# Altium PCB 400432.PcbDoc (part 4 of 6) (continued)
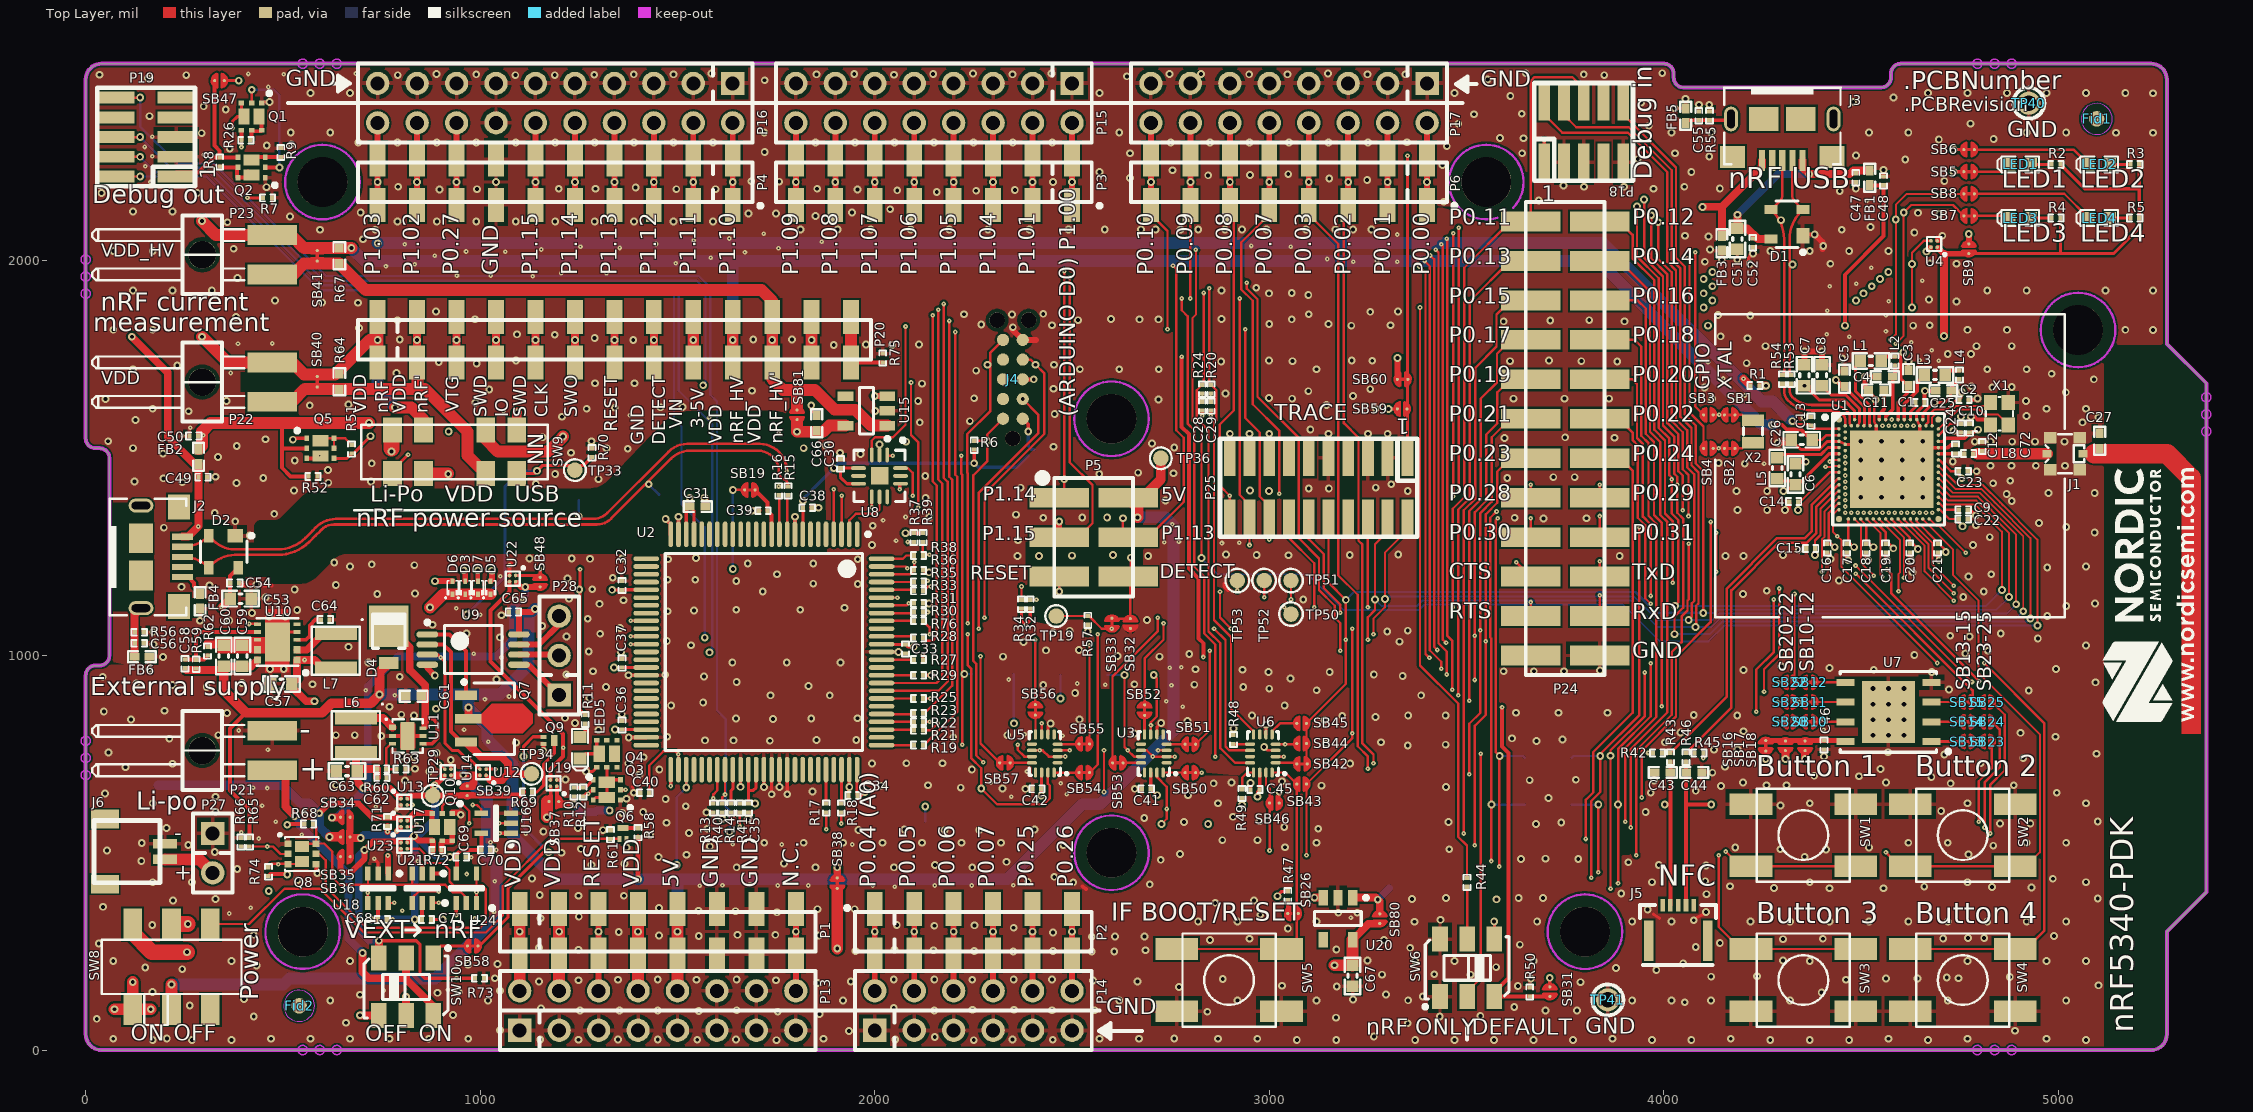
[diagram p0: Top Layer view]
## Nets (pads, with @x,y where several pads share a name; then routed paths per layer and width w, separated by ;. In a path a pad name is that pad's centre, name@x,y a point inside that pad or via, vN(x,y) a via of type N, cw(c..) or ccw(c..) an arc to the next point about the centre after c; other vN are vias at no path point) (continued)
  Top Layer w8: v1(4734.26,2226.26) SB5.1@4760.37,2226.26
  Mid-Layer 1 w6: v2(3662.5,1432.5) 3800.5,1432.5 3815,1447 v2(4020,1447)
  Mid-Layer 2 w6: v1@3933,2138 4055,2138 4075,2118 4119,2118 4145,2144 4614,2144 4696.26,2226.26 v1(4734.26,2226.26)
  Bottom Layer w4.92: v1(4028,1126) 4817,1126 v1(4857,1166)
  other v1: 3932,2138
P0.29: P24.16 SB6.1 U1.U31 | length 3667.7
  Top Layer w4.92: U1.U31@4696.45,1464.6 4738.76,1422.29 4804.31,1422.29 4838.69,1387.91 4929,1297.6 v1(4929,1094)
  Top Layer w6: P24.16@3837.5,1400 v2(3837.5,1432.5) ; v1(3950,2156) 3950,2009 3998,1961 3998,1583 4026,1555 4026,1461 4034,1453 v2(4034,1432.5) 4034,1362 4049,1347 4049,1121 4027,1099 v1(4027,1054)
  Top Layer w8: v1(4734.26,2282.26) SB6.1@4760.37,2282.26
  Mid-Layer 1 w6: v2(3837.5,1432.5) v2(4034,1432.5)
  Mid-Layer 2 w6: v1(3950,2156) 4608,2156 v1(4734.26,2282.26)
  Bottom Layer w4.92: v1(4027,1054) 4116,1054 4148,1086 4921,1086 v1(4929,1094)
P0.30: P24.17 SB7.1 U1.B24 | length 2624
  Top Layer w4.92: v2(4588,1790) 4608,1810 v1(4608,2122.9)
  Top Layer w6: P24.17@3662.5,1300 v2(3662.5,1347.5) ; v1(3968,2116) 3968,2007 4009,1966 4009,1589 4037,1561 4037,1467 4048,1456 v2(4048,1368) ; v1(4608,2122.9) 4627.1,2142 4732.63,2142 SB7.1@4760.37,2114.26
  Mid-Layer 1 w4.92: v2(4588,1790) 4588,1750 4621.17,1716.83 4621.17,1597.09 4632.98,1585.28 v2(4632.98,1582.24)
  Mid-Layer 1 w6: v2(3662.5,1347.5) 3683,1368 v2(4048,1368)
  Mid-Layer 2 w6: v1(3968,2116) 4056,2116 4073,2099 4197,2099 4227,2129 4601.9,2129 v1(4608,2122.9)
P0.31: P24.18 SB8.1 U1.B22 | length 2446.3
  Top Layer w4.92: v2(4574,1800) 4588,1814 v1(4588,2105) 4588,2142 4616.26,2170.26 SB8.1@4760.37,2170.26
  Top Layer w6: P24.18@3837.5,1300 v2(3837.5,1353.5) ; v1(3986,2098) 3986,2005 4020,1971 4020,1594 4048,1566 4048,1472 4062.5,1457.5 v2(4062.5,1353.5)
  Mid-Layer 1 w4.92: v2(4574,1800) 4574,1749 4611.32,1711.68 4611.32,1591.18 ; v2(4617.23,1582.24) v2@4617.23,1585.28 ; 4611.32,1591.18 v2@4617.23,1585.28 ; 4611.32,1591.18 v2@4617.23,1585.28
  Mid-Layer 1 w6: v2(3837.5,1353.5) v2(4062.5,1353.5)
  Mid-Layer 2 w6: v1(3986,2098) 4044,2098 4057,2085 4359,2085 4379,2105 v1(4588,2105)
P1.00: P3.1 P9.1 P15.2 U1.M2 | length 3160
  Top Layer w6: v2(3480,1418) v2(3480,2084)
  Top Layer w15: P3.1@2500,2142.32 v1(2500,2200) P3.1@2500,2257.68 P15.2@2500,2350
  Mid-Layer 1 w6: v1(2500,2200) 2519,2181 3353,2181 3450,2084 v2(3480,2084) ; v2(3480,1418) 4153,1418 4173,1398 4351.21,1398 v2@4456.7,1503.5 ; 4397.16,1443.95 v2@4456.7,1503.5 ; v2@4456.7,1503.5 v2(4459.75,1503.5) v2@4456.7,1503.5
  Bottom Layer w15: P9.1@2500,2118.4 v1(2500,2200) P9.1@2500,2257.68
P1.01: P3.2 P9.2 P15.4 U1.P2 | length 3251.6
  Top Layer w6: P3.2@2400,2118 P3.2@2400,2142.32 ; v2(3466,1404) v2(3466,2070)
  Top Layer w15: P3.2@2400,2142.32 v1(2400,2200) P3.2@2400,2257.68 P15.4@2400,2350
  Mid-Layer 1 w6: v1(2400,2200) 2430,2170 3348,2170 3448,2070 v2(3466,2070) ; v2(3466,1404) 4151,1404 4168,1387 4359,1387 v2(4459.75,1487.75) 4406.11,1434.11
  Bottom Layer w15: P9.2@2400,2142.32 v1(2400,2200) P9.2@2400,2257.68
P1.02: P4.9 P10.9 P16.18 R20.1 U6.8 | length 3650.9
  Top Layer w6: P4.9@840,2119 P4.9@840,2142.32 ; R20.1@2848,1689.22 v2(2848,1931) ; R20.1@2849,1689.22 R20.1@2852,1686.22 2866,1672.22 2866,1597 2860,1591 2860,1466 2860,1090 2903,1047 2903,865 2960.04,807.96 U6.8@2960.04,799.85 ; v2@2849,1931 v2@2849,1933
  Top Layer w15: P4.9@840,2142.32 v1(840,2200) P4.9@840,2257.68 P16.18@840,2350
  Mid-Layer 1 w6: v1(840,2200) 1106.91,1933.09 2550.91,1933.09 2551,1933 2847,1933 v2@2849,1931
  Bottom Layer w15: P10.9@840,2142.32 v1(840,2200) P10.9@840,2257.68
P1.02/I2C: C29.2 R20.2 U1.AE1 | length 2094.2
  Top Layer w4.92: v2(4400.79,1212) 4400.79,1294.12 4407.58,1300.91 4407.58,1365.67 4443.04,1401.13 U1.AE1@4444,1401.13
  Top Layer w6: v2(4133,1212) v2(4133,1311)
  Mid-Layer 1 w4.92: v2(4133,1212) v2(4400.79,1212)
  Mid-Layer 1 w6: v2(2852,1653.5) 2877,1628.5 2877,1463 3011,1329 3367,1329 3378,1318 3652,1318 3659,1311 v2(4133,1311)
P1.03: P4.10 P10.10 P16.20 R24.1 U6.12 | length 3832.6
  Top Layer w6: P4.10@740,2119 P4.10@740,2142.32 ; v2(2834,1919) 2834,1690.22 R24.1@2830,1686.22 2816,1672.22 2816,1600 2846,1570 2846,1480 2846,1061 2876,1031 2876,765 2913,728 U6.12@2951.19,728
  Top Layer w15: P4.10@740,2142.32 v1(740,2200) P4.10@740,2257.68 P16.20@740,2350
  Mid-Layer 1 w6: v1(740,2200) 1021,1919 v2@2833,1919
  Bottom Layer w15: P10.10@740,2142.32 v1(740,2200) P10.10@740,2257.68
P1.03/I2C: C28.2 R24.2 U1.AF2 | length 1964.1
  Mid-Layer 1 w4.92: v2(2830,1653.5) 2866,1617.5 2866,1458 3006,1318 3359,1318 3373,1304 3651,1304 3658,1297 4253,1297 4264,1308 4367.79,1308 4453.05,1393.26 ; 4420.08,1360.29 4453.05,1393.26 ; 4453.05,1393.26 v2(4459.75,1393.26) 4453.05,1393.26
P1.04: P3.3 P9.3 P15.6 U1.AL19 | length 4442.3
  Top Layer w4.92: U1.AL19@4593.61,1344.36 4594.27,1344.36 4601.51,1337.13 ; v2(4735,1139) 4661.03,1212.97 4661.03,1277.61 ; 4601.51,1337.13 4661.03,1277.61 ; 4601.51,1337.13 4661.03,1277.61 ; U1.AL19@4593.61,1345.06 4601.51,1337.16 U1.AL19@4593.61,1345.06
  Top Layer w5.91: U1.AL19@4593.61,1344.36 U1.AL19@4593.61,1346.02
  Top Layer w6: P3.3@2300,2119 P3.3@2300,2142.32 ; v2@3452,2056 3450.61,2054.61 3450.61,1050.39 3464,1037 v2(3464,913)
  Top Layer w15: P3.3@2300,2142.32 v1(2300,2200) P3.3@2300,2257.68 P15.6@2300,2350
  Mid-Layer 1 w4.92: v2@3464,913 4080,913 4162,995 4591,995 v2(4735,1139)
  Mid-Layer 1 w6: v1(2300,2200) 2342,2158 3344,2158 3446,2056 v2(3450,2056)
  Bottom Layer w15: P9.3@2300,2142.32 v1(2300,2200) P9.3@2300,2257.68
P1.05: P3.4 P9.4 P15.8 U1.AK22 | length 4224.6
  Top Layer w6: P3.4@2200,2119 P3.4@2200,2142.32 ; v2(3436,2042) 3439.69,2038.31 3439.69,1040.31 v2(3448,1032)
  Top Layer w15: P3.4@2200,2142.32 v1(2200,2200) P3.4@2200,2257.68 P15.8@2200,2350
  Mid-Layer 1 w4.92: v2(3448,1032) 3458,1022 4070,1022 4125,1077 4542,1077 4670.87,1205.87 4670.87,1305.08 ; v2(4617.23,1361.76) v2@4617.23,1358.72 ; v2@4617.23,1358.72 4670.87,1305.08 ; v2@4617.23,1358.72 4670.87,1305.08
  Mid-Layer 1 w6: v1(2200,2200) 2255,2145 3341,2145 3436,2050 v2(3436,2042)
  Bottom Layer w15: P9.4@2200,2142.32 v1(2200,2200) P9.4@2200,2257.68
P1.06: P3.5 P9.5 P15.10 U1.AL21 | length 4472.7
  Top Layer w4.92: U1.AL21@4609.35,1345.06 U1.AL21@4609.35,1343.23 ; v2(4735,1158) 4670.87,1222.13 4670.87,1281.69 4611.35,1341.21 ; U1.AL21@4609.35,1343.23 4611.35,1341.23 ; U1.AL21@4609.35,1343.23 4611.35,1341.23
  Top Layer w6: P3.5@2100,2119 P3.5@2100,2142.32 ; v2(3422,2028) 3428.76,2021.24 3428.76,1031.24 3450,1010 v2(3450,952)
  Top Layer w15: P3.5@2100,2142.32 v1(2100,2200) P3.5@2100,2257.68 P15.10@2100,2350
  Mid-Layer 1 w4.92: v2(3450,952) 3528,952 3554,926 4077,926 4156,1005 4582,1005 v2(4735,1158)
  Mid-Layer 1 w6: v1(2100,2200) 2166,2134 3336,2134 3422,2048 v2(3422,2028)
  Bottom Layer w15: P9.5@2100,2142.32 v1(2100,2200) P9.5@2100,2257.68
P1.07: P3.6 P9.6 P15.12 U1.AK24 | length 4419.1
  Top Layer w6: v2(3408,2014) 3417.84,2004.16 3417.84,1022 v2(3425.84,1014)
  Top Layer w15: P3.6@2000,2142.32 v1(2000,2200) P3.6@2000,2257.68 P15.12@2000,2350
  Mid-Layer 1 w4.92: v2(3425.84,1014) 3431.84,1008 4070,1008 4128.5,1066.5 4545.5,1066.5 4680.71,1201.71 4680.71,1310.98 ; v2(4632.98,1361.76) v2@4632.98,1358.72 ; v2@4632.98,1358.72 4680.71,1310.98 ; v2@4632.98,1358.72 4680.71,1310.98
  Mid-Layer 1 w6: v1(2000,2200) 2077,2123 3331,2123 3408,2046 v2(3408,2014)
  Bottom Layer w15: P9.6@2000,2142.32 v1(2000,2200) P9.6@2000,2257.68
P1.08: P3.7 P9.7 P15.14 U1.AL23 | length 4623.7
  Top Layer w4.92: U1.AL23@4625.1,1346.02 4625.1,1341.39 4680.71,1285.78 4680.71,1231.29 v2(4735,1177)
  Top Layer w6: P3.7@1900,2119 P3.7@1900,2142.32 ; v2(3394,2000) 3406.92,1987.08 3406.92,1013.08 3436,984 v2(3436,966)
  Top Layer w15: P3.7@1900,2142.32 v1(1900,2200) P3.7@1900,2257.68 P15.14@1900,2350
  Mid-Layer 1 w4.92: v2(3436,966) 3529,966 3556,939 4075,939 4151,1015 4573,1015 v2(4735,1177)
  Mid-Layer 1 w6: v1(1900,2200) 1989,2111 3327,2111 3394,2044 v2(3394,2000)
  Bottom Layer w15: P9.7@1900,2142.32 v1(1900,2200) P9.7@1900,2257.68
P1.09: P3.8 P9.8 P15.16 U1.AK26 | length 4730.6
  Top Layer w6: v2(3380,1986) 3396,1970 3396,1004 v2(3406,994)
  Top Layer w15: P3.8@1800,2142.32 v1(1800,2200) P3.8@1800,2257.68 P15.16@1800,2350
  Mid-Layer 1 w4.92: v2(3406,994) 4071,994 4133,1056 4549,1056 4732.39,1239.39 4732.39,1275.06 ; v2(4648.72,1361.76) v2@4648.72,1358.72 ; v2@4648.72,1358.72 4732.39,1275.06 ; v2@4648.72,1358.72 4732.39,1275.06
  Mid-Layer 1 w6: v1(1800,2200) 1900,2100 3322,2100 3380,2042 v2(3380,1986)
  Bottom Layer w15: P9.8@1800,2142.32 v1(1800,2200) P9.8@1800,2257.68
P1.10: P4.1 P10.1 P16.2 U1.R31 | length 5278
  Top Layer w4.92: v2@2814,2027 2814,1864 2805,1855 2805,1595 2828,1572 v1(2828,1247) ; U1.R31@4695.97,1479.87 4696.95,1479.87 4744.69,1432.14 ; 4860.34,1380.18 4852.46,1388.05 ; v1(4947,1076) 4947,1293.52 4852.46,1388.05 ; 4744.69,1432.14 4808.38,1432.14 ; 4744.69,1432.14 4808.38,1432.14 ; 4808.38,1432.14 4852.46,1388.05 ; 4808.38,1432.14 4852.46,1388.05
  Top Layer w15: P4.1@1640,2142.32 P4.1@1640,2257.68 P16.2@1640,2350
  Mid-Layer 1 w6: v1(1640,2200) 1812,2028 v2@2813,2028
  Bottom Layer w4.92: v1(2828,1247) 2869,1206 3098,1206 3189,1115 3379,1115 3393,1129 3897,1129 3990,1036 4113,1036 4153,1076 v1(4947,1076)
  Bottom Layer w15: P10.1@1640,2142.32 v1(1640,2200) P10.1@1640,2257.68
  other v2: 2814,2028
P1.11: P4.2 P10.2 P16.4 U1.B20 | length 3893.8
  Top Layer w6: P4.2@1540,2119 P4.2@1540,2142.32
  Top Layer w15: P4.2@1540,2142.32 v1(1540,2200) P4.2@1540,2257.68 P16.4@1540,2350
  Mid-Layer 1 w4.92: v1@4566,1969 v1(4569,1972) 4569,1950 4560,1941 4560,1914 4549,1903 4549,1809 4560,1798 4560,1749 4601.48,1707.52 v2(4601.48,1582.24)
  Mid-Layer 1 w6: v1(1540,2200) 1726,2014 3105,2014 3147,1972 v1(4123,1972)
  Mid-Layer 2 w6: v1(4123,1972) v1(4569,1972)
  Bottom Layer w15: P10.2@1540,2142.32 v1(1540,2200) P10.2@1540,2257.68
P1.12: P4.3 P10.3 P16.6 U1.B18 | length 3964.1
  Top Layer w6: P4.3@1440,2119 P4.3@1440,2142.32
  Top Layer w15: P4.3@1440,2142.32 v1(1440,2200) P4.3@1440,2257.68 P16.6@1440,2350
  Mid-Layer 1 w4.92: v1(4548,1954) 4548,1918 4538,1908 4538,1803 4550,1791 4550,1745 4591.15,1703.85 4591.15,1592.48 ; v2(4585.73,1582.24) v2@4585.73,1587.07 ; v2@4585.73,1587.07 4591.15,1592.48 ; v2@4585.73,1587.07 4591.15,1592.48
  Mid-Layer 1 w6: v1(1440,2200) 1638,2002 3100,2002 3148,1954 v1(4101,1954)
  Mid-Layer 2 w6: v1(4101,1954) v1(4548,1954)
  Bottom Layer w15: P10.3@1440,2142.32 v1(1440,2200) P10.3@1440,2257.68
P1.13: P4.4 P5.4 P10.4 P11.4 P16.8 U1.A17 | length 4900.7
  Top Layer w6: v1(2629,1348) 2629,1313.5 P5.4@2642.5,1300 2694,1300 2783,1389 2783,1552 2764,1571 2764,1980 v2(2756,1988)
  Top Layer w15: P4.4@1340,2142.32 v1(1340,2200) P4.4@1340,2257.68 P16.8@1340,2350
  Mid-Layer 1 w4.92: v1(4527,1936) 4527,1800 4539,1788 4539,1741 4577.86,1702.14 v2(4577.86,1597.98)
  Mid-Layer 1 w6: v1(1340,2200) 1552,1988 v2(2756,1988) 3095,1988 3147,1936 v1(4123,1936)
  Mid-Layer 2 w6: v1(4123,1936) v1(4527,1936)
  Bottom Layer w6: v1(2629,1348) 2629,1307 2636,1300 P11.4@2666.22,1300
  Bottom Layer w15: P10.4@1340,2142.32 v1(1340,2200) P10.4@1340,2257.68
P1.14: P4.5 P5.1 P10.5 P11.1 P16.10 U1.B16 | length 4762.5
  Top Layer w6: P5.1@2467.5,1400 2480,1412.5 v1(2480,1447) v2(2480,1974)
  Top Layer w15: P4.5@1240,2142.32 v1(1240,2200) P4.5@1240,2257.68 P16.10@1240,2350
  Mid-Layer 1 w4.92: v1(4506,1918) 4517,1907 4517,1796 4529,1784 4529,1736 4564.08,1700.92 4564.08,1592.08 ; v2(4569.98,1582.24) v2@4569.98,1586.17 ; 4564.08,1592.08 v2@4569.98,1586.17 ; 4564.08,1592.08 v2@4569.98,1586.17
  Mid-Layer 1 w6: v1(1240,2200) 1466,1974 v2(2480,1974) 3092,1974 3148,1918 v1(4101,1918)
  Mid-Layer 2 w6: v1(4101,1918) v1(4506,1918)
  Bottom Layer w6: P11.1@2420.18,1400 2480,1400 v1(2480,1447)
  Bottom Layer w15: P10.5@1240,2142.32 v1(1240,2200) P10.5@1240,2257.68
P1.15: P4.6 P5.3 P10.6 P11.3 P16.12 U1.B14 | length 4987.8
  Top Layer w6: P5.3@2467.5,1300 2517,1300 2552,1335 2552,1432 2494,1490 v2(2494,1959)
  Top Layer w15: P4.6@1140,2142.32 P4.6@1140,2257.68 P16.12@1140,2350 ; P5.3@2467.5,1300 v1(2467.5,1339.5)
  Mid-Layer 1 w4.92: v1(4487,1900) 4507,1880 4507,1792 4519,1780 4519,1732 4554.24,1696.76 v2@4554.24,1583.22
  Mid-Layer 1 w6: v1(1140,2200) 1381,1959 v2(2494,1959) 3089,1959 3148,1900 v1(4123,1900)
  Mid-Layer 2 w4.92: v1(4123,1900) v1(4487,1900)
  Bottom Layer w15: P10.6@1140,2142.32 P10.6@1140,2257.68 ; P11.3@2443.78,1300 2466,1300 2467.5,1301.5 v1(2467.5,1339.5)
  other v2: 4554.24,1582.24
R\E\S\E\T\: P18.10 P25.10 SB42.2 SB44.2 SB45.2 SB56.1 U1.AC31 | length 5113.6
  Top Layer w4.92: U1.AC31@4696.45,1417.36 4721.04,1392.77 4792.07,1392.77 4875,1309.84 v1(4875,1148)
  Top Layer w6: SB56.1@2407,875.3 2407,882.17 v2(2407,1040) ; 3094.3,814.1 3094.3,790.57 SB44.2@3094.3,776.67 3094.3,762.76 3094.3,727.33 SB42.2@3096.3,725.33 ; SB45.2@3094.3,828 3100.16,833.86 3194,927.7 v2(3194,1040) v1(3194,1141) 3150,1185 P25.10@3150,1348.23 ; P18.10@3897,2403.77 3897,2371 4031,2237 4031,2008 4053,1986 4053,1611 4081,1583 4081,1487 4100,1468 v1(4100,1108)
  Mid-Layer 1 w6: v2(2407,1040) v2(3194,1040)
  Bottom Layer w4.92: 4090,1108 v1(4100,1108) 4128,1108 4136,1116 4843,1116 v1(4875,1148)
  Bottom Layer w6: v1(3194,1141) 3214,1161 3928,1161 3981,1108 4090,1108
RF: C72.2 J1.1 L8.2 | length 176
  Top Layer w30: 4795,1511.36 4970.9,1511.36 J1.1@4971,1511.46
SH_VTG: P20.3 P26.3 Q1.4 R26.1 | length 1194.5
  Top Layer w8: v2(394.75,2288.75) R26.1@394.75,2306.03
  Top Layer w10: R26.1@394.75,2306.03 Q1.4@394.75,2328.8
  Top Layer w20: P20.3@940,1742.32 v1(940,1800) P20.3@940,1857.68
  Mid-Layer 1 w8: v2(394.75,2288.75) 394.75,2050.25 522,1923 879,1923 940,1862 v1(940,1800)
  Bottom Layer w20: P26.3@940,1742.32 v1(940,1800) P26.3@940,1857.68
SWD0_RESET: P19.10 R18.2 | length 3469.1
  Top Layer w6: P19.10@76.22,2414 v1(137.98,2414) ; v2(1915,574) R18.2@1915,602.39
  Mid-Layer 1 w6: v1(1632,553) 1728,553 1749,574 v2(1915,574)
  Bottom Layer w6: v1(137.98,2414) 137.98,2341.02 232,2247 324.32,2247 609.32,1962 1553.97,1962 1583,1932.97 1583,1661 1600,1644 1600,861 1622,839 1622,617 1632,607 v1(1632,553)
SWD0_SWDCLK: P19.4 R22.2 | length 3194.7
  Top Layer w6: P19.4@76.22,2264 v1(137.98,2264) ; R22.2@2126.22,832 v2(2139,832)
  Mid-Layer 1 w6: v1(1581,1008) 2019,1008 2127,900 2127,882 2139,870 v2(2139,832)
  Bottom Layer w6: v1(137.98,2264) 176.98,2225 312.38,2225 599.38,1938 1482.97,1938 1503,1917.97 1503,1671 1588,1586 1588,1015 v1(1581,1008)
SWD0_SWDIO: P19.2 R27.2 | length 3022.8
  Top Layer w6: P19.2@76.22,2214 v1(137.98,2214) ; v2(2122,1002) 2122,989.83 R27.2@2122.22,989.61
  Mid-Layer 1 w6: v1(1569.22,1045.22) 2049.78,1045.22 2093,1002 v2(2122,1002)
  Bottom Layer w6: v1(137.98,2214) 306.41,2214 594.41,1926 1478,1926 1491,1913 1491,1600 1510,1581 1510,1384 1569.22,1324.78 v1(1569.22,1045.22)
SWD0_SWO: P19.6 U8.7 | length 2899.9
  Top Layer w6: P19.6@76.22,2314 v1(137.98,2314) ; v2(1992.42,1375.42) U8.7@1992.42,1403.96 ; v2(2092,1692) 2092,1559 2110,1541 v2(2110,1376)
  Mid-Layer 1 w6: v1(1565,1685) 1572,1692 v2(2092,1692) ; v2(1992.42,1375.42) 2109.42,1375.42 v2(2110,1376)
  Bottom Layer w6: v1(137.98,2314) 215.98,2236 318.35,2236 604.35,1950 1549,1950 1571,1928 1571,1691 v1(1565,1685)
SWD1_RESET: P20.7 P26.7 R19.2 | length 2213
  Top Layer w6: P20.7@1340,1719 P20.7@1340,1742.32 ; R19.2@2122.22,773 2125,773 2209,857 2209,1453 2204,1458 v2(2204,1820)
  Top Layer w20: P20.7@1340,1742.32 v1(1340,1800) P20.7@1340,1857.68
  Mid-Layer 1 w6: v1(1340,1800) 1360,1820 v2(2204,1820)
  Bottom Layer w20: P26.7@1340,1742.32 v1(1340,1800) P26.7@1340,1857.68
SWD1_SWDCLK: P20.5 P26.5 R23.2 | length 2325.7
  Top Layer w6: R23.2@2126.22,853.67 2196,923.45 2196,1446 2189,1453 v2(2189,1848)
  Top Layer w20: P20.5@1140,1742.32 P20.5@1140,1857.68
  Mid-Layer 1 w6: v1(1140,1800) 1188,1848 v2(2189,1848)
  Bottom Layer w20: P26.5@1140,1742.32 v1(1140,1800) P26.5@1140,1857.68
SWD1_SWDIO: P20.4 P26.4 R28.2 | length 2220.3
  Top Layer w6: R28.2@2122.22,1044.5 2129.72,1037 2146,1037 2157,1048 2157,1431 2147,1441 v2(2147,1862)
  Top Layer w20: P20.4@1040,1746 P20.4@1040,1857.68
  Mid-Layer 1 w6: v1(1040,1800) 1102,1862 v2(2147,1862)
  Bottom Layer w20: P26.4@1040,1742.32 v1(1040,1800) P26.4@1040,1857.68
SWD1_SWO: P20.6 P26.6 U8.3 | length 1495.6
  Top Layer w6: P20.6@1240,1719 P20.6@1240,1742.32 ; U8.3@1992.42,1506.32 1992.42,1544.42 2001,1553 2046,1553 2078,1585 v2(2078,1834)
  Top Layer w20: P20.6@1240,1742.32 v1(1240,1800) P20.6@1240,1857.68
  Mid-Layer 1 w6: v1(1240,1800) 1274,1834 v2(2078,1834)
  Bottom Layer w20: P26.6@1240,1742.32 v1(1240,1800) P26.6@1240,1857.68
SWD3_RESET: R21.2 TP7.1 U5.7 | length 457.4
  Top Layer w6: R21.2@2126.22,810.33 2142.05,810.33 v2(2159.72,828) ; U5.7@2423.13,799.85 v2(2423.13,828)
  Mid-Layer 1 w6: v2(2159.72,828) v1(2352.67,828) v2(2423.13,828)
  Bottom Layer w6: v1(2352.67,828) TP7.1@2352.67,953
SWD3_SWDCLK: R25.2 TP6.1 U5.3 | length 576.5
  Top Layer w6: R25.2@2126.22,891 v2(2141,891) ; U5.3@2463.48,759.5 v2(2494.5,759.5)
  Mid-Layer 1 w6: v2(2141,891) v1(2470.78,891) 2494.5,867.28 v2(2494.5,759.5)
  Bottom Layer w6: v1(2470.78,891) TP6.1@2470.78,950.56
SWD3_SWDIO: R76.2 TP5.1 U5.15 | length 802.3
  Top Layer w6: R76.2@2122.22,1088 2139,1071.22 v2@2139,1059 ; v2(2236,1054) 2236,975 2245,966 2245,739 2270,714 v1(2270,663) 2310,623 2429,623 2444,638 2444,669.87 2438.87,675 U5.15@2438.87,703.39
  Mid-Layer 1 w6: v2(2139,1054) v2(2236,1054)
SWD3_SWO: TP8.1 U5.11 U8.1 | length 1132.8
  Top Layer w6: U8.1@2031.79,1506.32 v2(2045.32,1506.32) ; v2(2219,1506) 2219,1461 2222,1458 2222,958 v1(2227,953) 2222,948 v2(2222,774) ; v2(2362,774) 2362,761 2379.25,743.75 U5.11@2398.52,743.75
  Mid-Layer 1 w6: v2(2045.32,1506.32) 2045.64,1506 v2(2219,1506) ; v2(2222,774) v2(2362,774)
  Bottom Layer w6: TP8.1@2234.56,953 TP8.1@2246,953
SWDCLK: P18.4 P25.4 SB55.1 U1.W31 | length 5010.3
  Top Layer w4.92: U1.W31@4696.45,1448.86 4732.85,1412.45 4800.23,1412.45 4911,1301.68 v1(4911,1112)
  Top Layer w6: SB55.1@2544.3,776 2544.3,789.9 v2@2544.3,1026 ; v2(3250,1040) 3250,1097 3268,1115 v1(3268,1142) 3268,1282 3300,1314 P25.4@3300,1348.23 ; P18.4@3747,2403.77 3747,2370 3778,2339 3911,2339 4020,2230 4020,2003 4042,1981 4042,1605 4070,1577 4070,1482 4088,1464 4088,1132 4082,1126 4082,1074 v1(4080,1072)
  Mid-Layer 1 w4.92: v2(2544,1026) 3236,1026 v2(3250,1040)
  Bottom Layer w4.92: v1(3268,1142) 3285,1125 3374,1125 3388,1139 3918,1139 3985,1072 v1(4080,1072) 4120,1072 4144,1096 4895,1096 v1(4911,1112)
SWDIO: P18.2 P25.2 SB54.1 U1.AA31 | length 5193.4
  Top Layer w4.92: v2(3264,1054) 3264,1093 3293,1122 v1(3293,1143) 3293,1260 3350,1317 P25.2@3350,1348.23 ; 4830.81,1367.95 4796.15,1402.61 ; v1(4893,1130) 4893,1305.76 4796.15,1402.61 ; 4726.94,1402.61 4696.45,1433.11 4726.94,1402.61 ; 4726.94,1402.61 4796.15,1402.61 ; 4726.94,1402.61 4796.15,1402.61
  Top Layer w6: SB54.1@2544.3,703 2550.16,708.86 2565,723.7 v2(2565,1054) ; P18.2@3697,2403.77 3697,2371 3743,2325 3909,2325 4009,2225 4009,1998 4031,1976 4031,1599 4059,1571 4059,1477 4077,1459 4077,1138 4071,1132 4071,1098 v1(4063,1090)
  Mid-Layer 1 w4.92: v2(2565,1054) v2(3264,1054)
  Bottom Layer w4.92: v1(3293,1143) 3300,1150 3924,1150 3984,1090 v1(4063,1090) 4072,1090 4124,1090 4140,1106 4869,1106 v1(4893,1130)
SWO: U2.2 U8.8 | length 157.1
  Top Layer w6: U2.2@1935.53,1307.23 1935.53,1342.53 1952,1359 2001,1359 2012.1,1370.1 U8.8@2012.1,1403.96
SWOSel0: U2.3 U8.12 | length 373.4
  Top Layer w6: U2.3@1915.85,1307.23 1916,1307.38 v2(1916,1405) ; U8.12@2063.29,1474.82 2084.18,1474.82 2096,1463 v2(2096,1405)
  Mid-Layer 1 w6: v2(1916,1405) v2(2096,1405)
SWOSel1: U2.4 U8.10 | length 295.6
  Top Layer w6: v2(1896,1421.29) 1896.16,1421.12 U2.4@1896.16,1307.23
  Top Layer w8: v2(2063.29,1421.29) U8.10@2063.29,1435.45
  Mid-Layer 1 w8: v2(1896,1421.29) v2(2063.29,1421.29)
USB0_N: R16.2 U2.11 | length 99.6
  Top Layer w6.5: R16.2@1756.37,1406.01 1758.37,1404.01 U2.11@1758.37,1307.23
USB0_P: R15.2 U2.10 | length 99.6
  Top Layer w6.5: U2.10@1778.05,1307.23 1778.05,1404.01 R15.2@1780.05,1406.01
V5V: C58.2 C59.2 C60.2 C65.2 D4.1 P1.5 P5.2 P7.5 P11.2 P13.10 Q7.2 R58.1 R59.2 R65.1 TP36.1 U9.8 U10.10 | length 5480.8
  Top Layer w10: 406,855 366,815 366,658 414.87,609.13 R65.1@414.87,538.22
  Top Layer w12: v1(1400,433) R58.1@1400,539.78
  Top Layer w15: C65.2@1096.69,1110 1131,1110 v1(1139,1118) ; U9.8@1098.14,1053.39 C65.2@1098.14,1108.54
  Top Layer w20: C58.2@255,963.5 C60.2@341.08,963.5 ; C60.2@350,972.43 C59.2@397,972.43 419.7,972.43 U10.10@434.64,987.36 ; Q7.2@970.04,840 v1(970.04,867.96)
  Top Layer w25: C60.2@350,972.43 350,911 406,855 599,855 623,879 723,879 v1(745,901) 745,958.04 D4.1@768,981.04 ; P5.2@2642.5,1400 2679,1400 2725,1446 TP36.1@2725,1500
  Top Layer w30: P13.10@1500,150 P1.5@1500,242.32 v1(1500,300) P1.5@1500,357.68 ; P5.2@2642.5,1400 2666.22,1376.28 v1(2666.22,1350.22)
  Bottom Layer w20: 860.53,903.47 863,901 ; 970.04,898.04 973,901
  Bottom Layer w30: v1(745,901) 863,901 973,901 1049,901 1122,974 1122,1101 v1(1139,1118) ; 970.04,898.04 v1(970.04,867.96) 1018,820 1018,788 1081.5,724.5 1081.5,544.5 1193,433 1500,433 ; P7.5@1500,242.32 v1(1500,300) P7.5@1500,357.68 1500,433 ; P11.2@2666.22,1400 v1(2666.22,1350.22) 2736.78,1350.22 2757,1330 2757,809 2571,623 2526,623 2336,433 1500,433
VBAT: Bat1.1 R71.1 SB35.2 TP26.1 U17.A1 | length 765
  Top Layer w15: v1(592,600) 617,625 691,625 726.31,589.69 790.81,589.69 U17.A1@796.25,584.25
  Top Layer w24: v1(618,540) 638.83,540 SB35.2@643,540
  Bottom Layer w24: TP26.1@183.74,671.26 499,671.26 545.26,625 567,625 v1(592,600) 592,566 v1(618,540)
VBAT_EN: U17.B2 U18.4 | length 334.4
  Top Layer w6: v2(715,399) 715,373.01 U18.4@715.41,372.6 ; U17.B2@814.87,565.63 832.63,565.63 v2(839,572)
  Mid-Layer 1 w6: v2(715,399) 748,432 748,565 764,581 830,581 v2(839,572)
VBOOST_SRC: C57.2 L7.2 SW8.6 TP28.1 U10.1 U10.6 | length 1433.8
  Top Layer w6: v2(414,1080) 435.28,1080 U10.6@436,1079.28
  Top Layer w20: v1(580,884) 559,884 522.57,920.43 C57.2@522.57,928 536,941.43 U10.1@536,988.72 v2(554.72,988.72) 580.28,988.72 602,967 L7.2@623.31,967
  Top Layer w40: SW8.6@119.2,319.27 119.2,296.43 167.63,248 v1(256.63,248)
  Mid-Layer 1 w6: v2(414,1080) 505.28,988.72 v2(554.72,988.72)
  Mid-Layer 2 w30: v1(256.63,248) 325,248 464,387 v1(464,403) 464,663 512,711 512,816 v1(580,884)
VBOOST_SRC': D3.1 D5.1 D6.1 D7.1 SW8.5 TP32.1 | length 1403.1
  Top Layer w30: v1(872.95,1122.05) 906.24,1155.34 D6.1@930,1155.34 D3.1@962,1155.34 D7.1@994,1155.34 D5.1@1026,1155.34
  Top Layer w40: SW8.5@217.62,319.27 v1(258.9,319.27)
  Mid-Layer 2 w30: v1(258.9,319.27) 335.27,319.27 423,407 423,696 467,740 467,875 714.05,1122.05 v1(872.95,1122.05)
VBUS: C50.2 D3.2 FB2.2 Q5.2 R1.1 R52.1 | length 4759.3
  Top Layer w10: 497,1589 497,1525 ; Q5.2@557.8,1525 497,1525 ; R52.1@564.78,1454 519,1454 497,1476 497,1525
  Top Layer w15: v1(958,1216) 962,1212 D3.2@962,1188.41
  Top Layer w20: v2(4202,1701.78) R1.1@4215.39,1688.39
  Top Layer w30: FB2.2@286,1522.7 295,1531.7 295,1567.76 316.24,1589 497,1589 v1(718,1589)
  Mid-Layer 1 w20: v1(920,1568) 1091,1568 1256,1733 2206,1733 2252,1779 4124.78,1779 v2(4202,1701.78)
  Mid-Layer 2 w30: v1(718,1589) 899,1589 v1(920,1568) 958,1530 v1(958,1216)
  other v2: 298,1558
VBUS_NRF: SB80.1 TP38.1 U20.1 | length 141.9
  Top Layer w20: U20.1@3211.4,386.15 3269.85,386.15 v1(3274.93,381.07) 3280,376 3280,352.17 SB80.1@3280,348
  Bottom Layer w20: v1(3274.93,381.07) 3275.07,381.07 TP38.1@3304,410
VBUS_NRF': C48.2 C67.2 D5.2 FB1.2 SB80.2 SW9.8 U20.5 | length 7701.6
  Top Layer w10: v1(4459,1836) 4459,1965 4557,2063 C48.2@4557,2191.78 4522.21,2191.78 FB1.2@4521.73,2192.27
  Top Layer w15: D5.2@1026,1188.41 1030,1192.41 v1(1030,1215)
  Top Layer w20: U20.5@3211.4,279.85 3251.55,320 3266.66,320 SB80.2@3280,320
  Top Layer w25: SW9.8@1092.48,1571.12 1092.48,1614.48 v1(1094,1616)
  Top Layer w30: v1(3165,215) C67.2@3210.57,215 ; C67.2@3211,214.57 U20.5@3211,279.45
  Mid-Layer 1 w20: v1(1094,1616) 1238,1760 2193,1760 2239,1806 4082,1806 v1(4112,1836)
  Mid-Layer 2 w20: v1(4112,1836) v1(4459,1836)
  Mid-Layer 2 w30: v1(1094,1616) 1051,1573 1051,1367 1030,1346 v1(1030,1215) 1030,1186 1004,1160 1004,790 1049,745 1049,264 1098,215 v1(3165,215)
VCOM0_CTS: R31.1 TP51.1 U2.94 | length 1138
  Top Layer w6: U2.94@2017.23,1127.11 2081.11,1127.11 v2(2086.05,1132.05) R31.1@2099.78,1132.05 ; v2(3055,1142) TP51.1@3055,1190
  Mid-Layer 1 w6: v2(2086.05,1132.05) 2104,1150 2151,1150 2174,1127 2336,1127 2352,1111 2505,1111 2527,1133 3026,1133 3035,1142 v2(3055,1142)